# Allegro board RK3588S_Template_LP5D315P232SD10H2_42x42_2750MHz_1R2_V10_20220413YWQ.brd (continued)
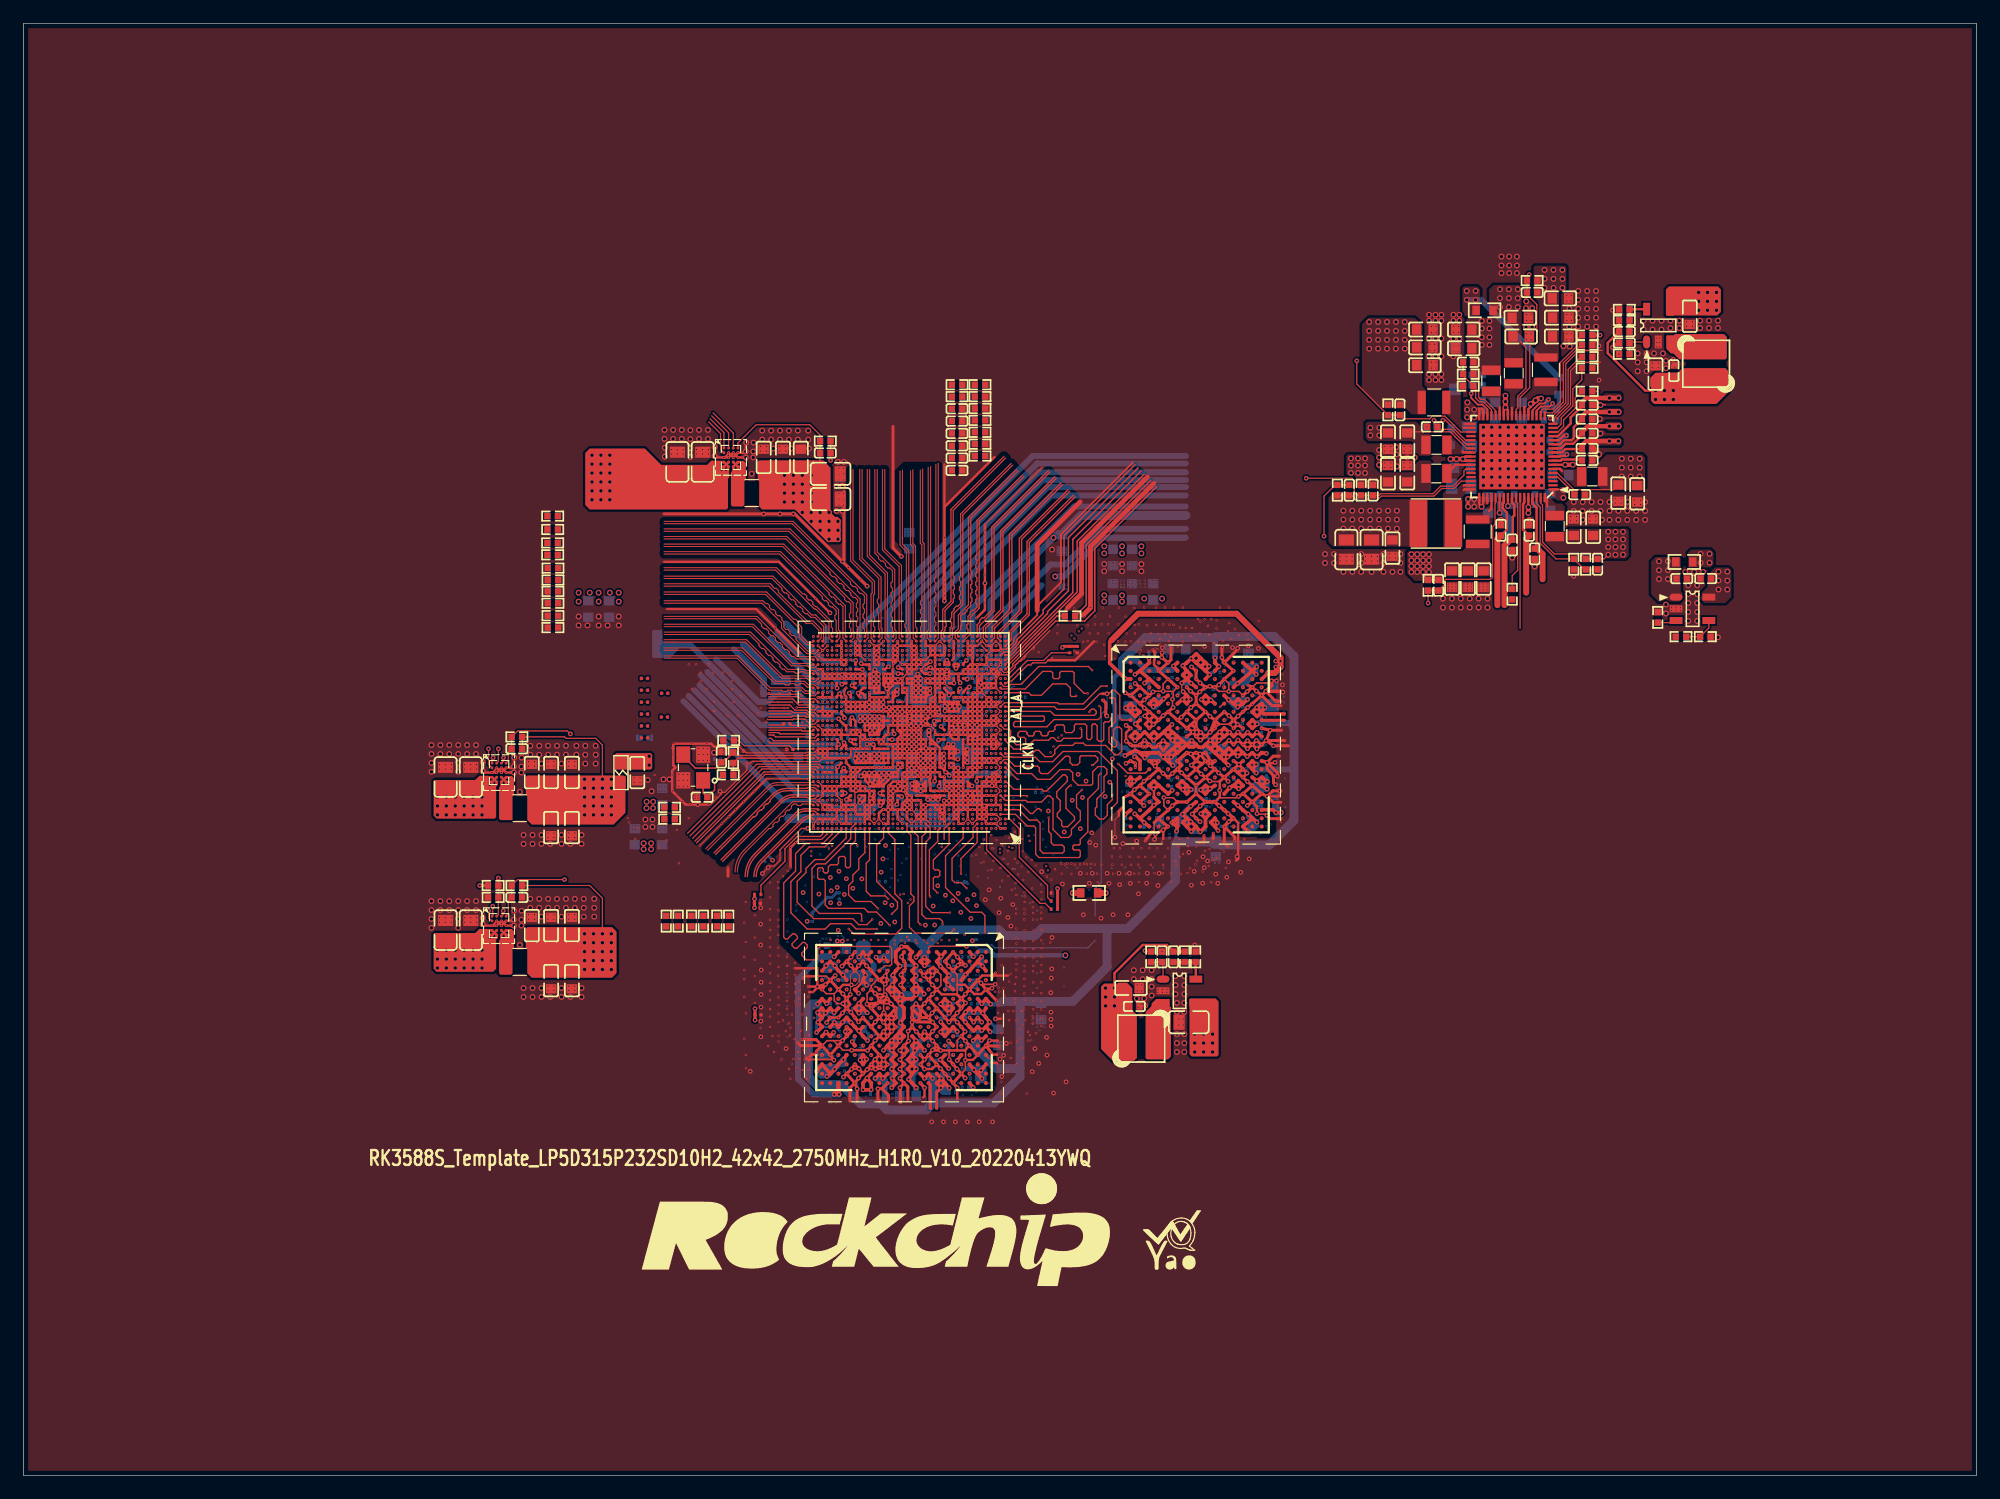
[diagram p0: board, top side]
## Routing (per net, layer and track width the routed paths; a pad name or vN(x,y) marks a point on that pad's centre or on a via; arc(x,y) is an arc through that point) (continued)
DDR_CH1_DQ11_D: length 28.1
  L3-S1 w0.076: v4(71.33,50.36) 71.05,50.64 71.05,50.89 71.94,51.78 71.94,51.95 71.86,52.03 71.29,52.03 71.08,52.24 71.08,52.35 71.36,52.63 71.47,52.63 71.63,52.47 71.73,52.47 71.89,52.63 71.89,52.74 71.74,52.89 71.74,53 71.96,53.22 71.96,56.43 71.49,56.9 v3(71.49,56.9) ; v3(70.33,43.17) 70.33,43.17 70.33,43.1 v4(70.54,42.89)
  L8-S3 w0.076: v4(71.33,50.36) 71.51,50.53 71.66,50.53 71.76,50.43 71.76,50.13 71.69,50.05 71.53,50.05 71.45,49.97 71.45,49.74 71.53,49.67 71.69,49.67 71.76,49.59 71.76,49.36 71.69,49.28 71.2,49.28 71.13,49.36 71.13,49.73 71.05,49.81 70.78,49.81 70.61,49.64 70.61,48.98 70.69,48.9 71.59,48.9 71.7,48.79 71.7,48.6 71.62,48.52 70.5,48.52 70.43,48.44 70.43,48.23 70.52,48.14 71.53,48.14 71.61,48.06 71.61,47.86 71.53,47.78 71.34,47.78 71.27,47.71 71.27,47.38 71.19,47.31 70.96,47.31 70.89,47.38 70.89,47.71 70.81,47.78 70.48,47.78 70.41,47.71 70.41,47.19 70.53,47.07 70.53,46.58 70.63,46.48 71.25,46.48 71.33,46.4 71.33,46.29 71.25,46.21 70.42,46.21 70.34,46.13 70.34,45.17 70.27,45.09 69.58,45.09 69.5,45.02 69.5,44.79 69.58,44.71 70.27,44.71 70.34,44.64 70.34,43.09 v4(70.54,42.89)
DDR_CH1_DQ12_C: length 28.9
  L3-S1 w0.076: v3(79.09,56.1) 79.26,55.93 79.26,55.18 79.74,54.71 79.74,53.66 82.16,51.24 v4(82.16,50.46) ; v3(81.52,36.83) 82.84,36.83 v4(83.03,37.02)
  L6-S2 w0.107: v4(83.03,37.02) 83.03,37.13 82.84,37.33 82.84,37.67 83.14,37.97 83.45,37.97 83.7,38.23 83.7,42.56 83.63,42.63 83.31,42.63 83.24,42.71 83.24,42.94 83.31,43.01 83.63,43.01 83.7,43.09 83.7,43.45 83.59,43.56 83.33,43.56 83.13,43.36 83.02,43.36 82.86,43.53 82.86,43.63 83.18,43.96 83.18,44.23 82.68,44.74 82.68,46.34 82.53,46.48 82.3,46.48 82.14,46.64 82.14,47.6 82.38,47.84 82.38,47.99 82.27,48.09 81.88,48.09 81.81,48.17 81.81,48.4 81.88,48.48 82.38,48.48 82.51,48.61 82.51,49.5 82.38,49.64 81.9,49.64 81.66,49.88 81.66,51.23 81.77,51.33 82.08,51.33 82.16,51.26 v4(82.16,50.46)
DDR_CH1_DQ12_D: length 26.9
  L3-S1 w0.076: v4(69.11,50.65) 69.25,50.78 69.67,50.78 69.93,50.53 70.68,50.53 70.76,50.6 70.76,51.89 70.61,52.04 70.61,52.34 71.72,53.45 71.72,55.62 71.65,55.7 v3(71.49,55.7) ; v3(68.85,41.58) 68.86,41.58 68.86,41.58 69.07,41.79 v4(69.07,41.85)
  L6-S2 w0.107: v4(69.07,41.85) 69.07,42.2 69.18,42.31 70.25,42.31 70.36,42.2 70.36,41.76 70.25,41.66 69.85,41.66 69.52,41.33 67.54,41.33 67.36,41.51 67.36,42.57 67.47,42.67 68.48,42.67 68.55,42.75 68.55,42.98 68.48,43.05 67.44,43.05 67.36,43.13 67.36,43.45 67.47,43.56 67.94,43.56 68.33,43.94 68.33,46.74 68.64,47.05 68.64,47.45 68.75,47.56 69.11,47.56 69.21,47.66 69.21,47.88 69.11,47.98 68.75,47.98 68.64,48.09 68.64,49.53 68.64,49.53 68.64,50.57 68.75,50.67 69.08,50.67 v4(69.11,50.65)
DDR_CH1_DQ13_C: length 29.5
  L3-S1 w0.076: v4(81.15,37.96) 81.15,37.85 v3(80.84,37.55) ; v4(84.08,46.42) 84.06,46.42 83.98,46.5 83.98,47.27 83.88,47.38 83.37,47.38 83.13,47.13 83.13,47.05 83.05,46.98 82.94,46.98 82.69,47.23 82.65,47.23 82.45,47.43 82.45,47.44 82.42,47.47 82.42,48.05 81.83,48.64 81.83,49.86 81.46,50.23 81.46,51.12 79.23,53.35 79.23,54.57 78.81,55 78.81,55.74 78.6,55.95 78.6,56.41 78.93,56.74 v3(79.09,56.9)
  L8-S3 w0.076: v4(81.15,37.96) 81.59,38.4 82.18,38.4 82.25,38.33 82.25,37.63 82.33,37.55 82.74,37.55 83.47,38.28 83.61,38.28 83.81,38.09 83.92,38.09 84.08,38.25 84.08,38.36 83.69,38.75 83.69,38.86 83.86,39.03 83.97,39.03 84.36,38.63 84.47,38.63 85.09,39.26 85.09,44.08 83.84,45.33 83.84,46.18 v4(84.08,46.42)
DDR_CH1_DQ13_D: length 26.1
  L3-S1 w0.076: v4(67.53,50.45) 67.53,50.88 67.72,51.08 67.83,51.08 68.16,50.74 68.27,50.74 68.38,50.85 68.38,50.96 68.04,51.29 68.04,51.4 70.74,54.09 70.74,56.05 v3(70.69,56.1) ; v4(69.29,40.36) 69.4,40.36 69.64,40.6 v3(69.64,40.75)
  L6-S2 w0.107: v4(67.53,50.45) 67.53,50.28 67.62,50.19 67.62,48.9 67.71,48.81 67.86,48.81 67.94,48.72 67.94,47.38 67.56,47 67.56,46.64 67.35,46.43 67.09,46.43 66.67,46.01 66.67,38.88 66.95,38.61 67.21,38.61 67.3,38.7 67.3,40.55 67.41,40.65 69.2,40.65 69.29,40.56 v4(69.29,40.36)
DDR_CH1_DQ14_C: length 27.7
  L3-S1 w0.076: v3(79.43,37.55) 79.13,37.84 v4(79.12,37.84) ; v4(79.48,50.18) 79.48,50.01 79.4,49.92 79.28,49.92 78.49,50.72 78.49,51.12 78.26,51.35 78.26,51.63 78.21,51.68 78.21,54.3 77.89,54.62 77.89,55.27 v3(77.87,55.3)
  L8-S3 w0.076: v4(79.12,37.84) 79.43,38.15 79.43,38.92 79.66,39.15 82.48,39.15 82.8,39.46 84.46,39.46 84.71,39.71 84.71,44.06 83.56,45.21 83.56,46.23 83.19,46.6 83.19,47.66 83.02,47.82 83.02,48.17 82.75,48.45 82.59,48.45 82.52,48.52 82.52,49.4 81.66,50.26 79.56,50.26 v4(79.48,50.18)
DDR_CH1_DQ14_D: length 26.8
  L3-S1 w0.076: v4(69.19,51.69) 69.19,51.78 69.58,52.18 69.69,52.18 69.82,52.05 69.93,52.05 70.09,52.21 70.09,52.32 69.96,52.45 69.96,52.56 v3(71.25,53.85) 71.25,55.86 71.49,56.1 v3(71.49,56.1) ; v3(71,40.64) 70.94,40.64 70.93,40.64 70.92,40.64 v4(70.7,40.41)
  L6-S2 w0.107: v4(69.19,51.69) 69.19,52.02 69.08,52.13 68.51,52.13 68.35,51.96 68.35,51.81 68.58,51.58 68.58,51.43 68.43,51.28 68.28,51.28 68.05,51.51 67.89,51.51 67.76,51.37 67.76,50.99 68.32,50.42 68.32,49.8 68.32,49.8 68.32,47.24 67.95,46.87 67.95,44.98 67.81,44.84 67.15,44.84 67.04,44.73 67.04,44.42 67.12,44.35 67.87,44.35 67.94,44.27 67.94,44.04 67.87,43.96 67.12,43.96 67.04,43.89 67.04,41.34 67.4,40.97 69.52,40.97 69.67,40.82 69.67,40.13 69.83,39.97 70.26,39.97 v4(70.7,40.41)
DDR_CH1_DQ15_C: length 28.8
  L3-S1 w0.076: v3(77.89,55.7) 77.89,55.66 78.12,55.43 78.12,54.71 78.47,54.37 v3(78.47,53.72) 78.47,52.45 78.92,52 78.92,51.65 78.89,51.62 78.89,51.16 79.38,50.67 79.5,50.67 80.26,49.91 80.26,49.14 80.66,48.75 80.92,48.75 82.14,47.52 82.14,46.78 82.89,46.03 83.59,46.03 84.42,45.2 84.45,45.2 v4(84.48,45.18) ; v3(78.77,36.72) v4(78.52,36.97)
  L8-S3 w0.076: v4(84.48,45.18) 85.34,44.29 85.34,38.81 83.21,36.67 80.43,36.67 80.33,36.77 78.72,36.77 v4(78.52,36.97)
DDR_CH1_DQ15_D: length 26.3
  L3-S1 w0.076: v4(71.45,41.69) 71.57,41.69 v3(71.77,41.49) ; v3(71.49,55.3) 71.49,55.3 71.48,55.31 71.48,53.64 70.38,52.54 v4(70.38,51.5)
  L8-S3 w0.076: v4(71.45,41.69) 71.12,41.69 70.95,41.52 70,41.52 69.85,41.67 69.85,42.21 70.05,42.4 71.03,42.4 71.15,42.28 71.15,42.15 71.22,42.08 71.42,42.08 71.5,42.15 71.5,42.69 71.47,42.72 71.18,42.72 71.11,42.8 71.11,43.03 71.18,43.11 72.33,43.11 72.4,43.18 72.4,44.57 72.45,44.62 72.45,45.53 72.58,45.66 72.58,47.26 72.57,47.26 72.57,47.71 73.01,48.14 73.01,50.56 72.92,50.65 72.92,52.25 72.72,52.45 69.37,52.45 69.29,52.37 69.29,52.15 69.37,52.07 70.1,52.07 70.38,51.8 v4(70.38,51.5)
DDR_CH1_DQS0N_C: length 26.6
  L3-S1 w0.066: v3(80.92,42.36) 81.04,42.48 81.33,42.48 81.33,42.48 81.6,42.48 81.89,42.77 82.57,42.77 82.73,42.93 82.73,43.37 82.79,43.43 83.08,43.43 83.15,43.37 83.15,43.25 83.31,43.09 83.71,43.09 83.83,42.97 83.83,42.77 83.77,42.71 83.35,42.71 83.19,42.55 83.19,42.29 83.54,41.95 83.86,41.95 84.14,41.67 84.14,40.11 84.3,39.95 85.11,39.95 85.28,40.11 85.28,49.78 80.96,54.09 80.96,55.44 v3(80.7,55.7)
DDR_CH1_DQS0N_D: length 26.9
  L3-S1 w0.066: v3(69.57,35.93) 69.46,35.82 68.89,35.82 68.33,35.26 65.72,35.26 63.55,37.44 63.55,51.09 67.76,55.3 v3(67.89,55.3)
DDR_CH1_DQS0P_C: length 26
  L3-S1 w0.066: v3(81.58,43.08) 81.53,43.13 81.44,43.13 81.34,43.03 81.34,42.72 81.4,42.65 81.53,42.65 81.82,42.94 82.5,42.94 82.56,43 82.56,43.44 82.72,43.6 83.16,43.6 83.32,43.44 83.32,43.33 83.38,43.27 83.78,43.27 84,43.05 84,42.7 83.84,42.54 83.43,42.54 83.36,42.48 83.36,42.37 83.61,42.12 83.93,42.12 84.32,41.74 84.32,40.18 84.38,40.12 85.04,40.12 85.1,40.18 85.1,49.71 80.79,54.02 80.79,55.23 80.72,55.3 v3(80.69,55.3)
DDR_CH1_DQS0P_D: length 27
  L3-S1 w0.066: v3(67.89,55.7) 67.89,55.68 67.69,55.47 63.38,51.16 63.38,37.36 65.65,35.09 68.41,35.09 68.7,35.38 68.84,35.38 68.9,35.32 v3(68.9,35.16)
DDR_CH1_DQS1N_C: length 27.6
  L3-S1 w0.066: v3(80.83,35.93) 80.77,35.93 80.71,35.86 80.71,35.75 80.78,35.68 81.27,35.68 81.4,35.81 81.66,35.81 82.5,34.98 84.11,34.98 87.23,38.09 87.23,50.59 84.45,53.36 84.45,53.37 84.2,53.62 v3(84.2,53.72) 84.1,53.72 82.89,54.93 82.89,55.09 v3(82.69,55.28)
DDR_CH1_DQS1N_D: length 27.3
  L3-S1 w0.066: v3(69.88,56.1) 69.94,56.04 69.94,54.95 69.66,54.67 69.66,54.22 69.53,54.09 69.31,54.09 69.08,54.09 68.83,53.85 v3(68.83,53.57) 68.83,53.52 68.7,53.39 68.37,53.39 68.22,53.23 68.22,52.82 68.14,52.74 68.05,52.74 68.01,52.79 67.78,52.79 67.55,52.56 67.55,52.33 67.59,52.28 67.59,52.2 67.46,52.07 67.38,52.07 67.33,52.11 67.1,52.11 66.87,51.88 66.87,51.65 66.92,51.61 66.92,51.52 66.79,51.39 66.7,51.39 66.66,51.44 66.43,51.44 66.2,51.21 66.2,50.98 66.23,50.94 66.23,50.86 66.09,50.72 66.03,50.72 65.98,50.76 65.75,50.76 65.49,50.51 65.49,50.09 65.61,49.97 65.61,49.59 65.49,49.47 65.49,48.95 65.61,48.83 65.61,48.33 65.49,48.21 65.49,46.91 65.61,46.8 65.61,46.17 65.49,46.05 65.49,45.51 65.61,45.4 65.61,45.04 65.49,44.92 65.49,39.81 65.66,39.64 66.61,39.64 66.77,39.81 66.77,42.02 67.66,42.9 67.99,42.9 68.13,42.76 68.44,42.76 68.81,42.39 69.58,42.39 v3(69.64,42.33)
DDR_CH1_DQS1P_C: length 27.3
  L3-S1 w0.066: v3(81.58,35.2) 81.55,35.2 81.38,35.37 81.38,35.55 81.47,35.64 81.59,35.64 82.43,34.8 84.18,34.8 87.4,38.02 87.4,50.66 84.6,53.47 84.6,53.47 84.49,53.57 v3(84.49,53.63) 84.49,53.73 84.25,53.98 84.09,53.98 83.06,55 83.06,55.28 v3(83.07,55.29)
DDR_CH1_DQS1P_D: length 27.5
  L3-S1 w0.066: v3(68.94,43.09) 68.98,43.09 69.05,43.02 69.05,42.67 68.98,42.61 68.84,42.61 68.77,42.68 68.77,42.87 68.71,42.94 68.21,42.94 68.07,43.07 67.58,43.07 66.6,42.09 66.6,39.88 66.53,39.82 65.73,39.82 65.67,39.88 65.67,44.85 65.78,44.97 65.78,45.47 65.67,45.58 65.67,45.98 65.78,46.1 65.78,46.87 65.67,46.98 65.67,48.14 65.78,48.26 65.78,48.9 65.66,49.02 65.66,49.4 65.78,49.52 65.78,50.04 65.67,50.16 65.67,50.44 65.82,50.59 65.91,50.59 65.96,50.54 66.16,50.54 66.41,50.78 66.41,51.01 66.37,51.05 66.37,51.14 66.5,51.27 66.58,51.27 66.63,51.22 66.86,51.22 67.09,51.45 67.09,51.68 67.04,51.73 67.04,51.81 67.17,51.94 67.26,51.94 67.31,51.89 67.54,51.89 67.77,52.12 67.77,52.35 67.72,52.4 67.72,52.49 67.85,52.62 67.93,52.62 67.98,52.57 68.21,52.57 68.39,52.75 68.39,53.14 68.47,53.21 68.77,53.21 69.05,53.49 69.05,53.76 v3(69.09,53.8) 69.09,53.86 69.15,53.92 69.31,53.92 69.6,53.92 69.83,54.15 69.83,54.6 70.11,54.88 70.11,56.34 69.95,56.5 v3(69.88,56.5)
DDR_CH1_LP4/4X_CKE0/LP5_CS0_C: length 30.6
  TOP w0.107: v3(78.53,47.15) 78.53,47.35 78.29,47.6 77.1,47.6 76.77,47.93 76.77,54.58 77.09,54.91 U1000.A18
  L3-S1 w0.064: v4(78.42,46.77) 78.44,46.77 78.53,46.86 v3(78.53,47.15) ; v3(77.29,39.88) 77.24,39.88 v4(77,39.65)
  L6-S2 w0.081: v4(77,39.65) 77.07,39.65 77.31,39.4 77.31,38.41 77.24,38.33 77.01,38.33 76.93,38.41 76.93,39.18 76.86,39.26 76.3,39.26 76.22,39.18 76.22,38.95 76.3,38.88 76.49,38.88 76.58,38.78 76.58,38.41 76.51,38.33 75.73,38.33 75.56,38.5 75.56,39.52 75.71,39.67 76.5,39.67 76.6,39.76 76.6,40.66 76.73,40.78 77.22,40.78 77.32,40.88 77.32,42.88 77.12,43.08 76.7,43.08 76.63,43.16 76.63,43.87 76.67,43.91 77.22,43.91 77.34,44.03 77.34,44.64 77.22,44.76 76.54,44.76 76.46,44.84 76.46,45.67 76.53,45.74 76.77,45.74 76.85,45.66 76.85,45.22 76.93,45.14 77.22,45.14 77.3,45.22 77.3,46.38 77.4,46.48 78.26,46.48 78.36,46.58 78.36,46.69 78.42,46.75 78.42,46.77 v4(78.42,46.77)
DDR_CH1_LP4/4X_CKE0/LP5_CS0_D: length 28.2
  TOP w0.107: v3(72.53,47.53) 72.07,47.07 71.37,47.07 70.86,47.59 67.51,47.59 66.11,48.99 66.11,50.77 66.87,51.54 66.87,51.88 67.62,52.64 68.45,52.64 70.29,54.48 U1000.A35
  L3-S1 w0.064: v4(72.87,38.15) 73.03,38.15 v3(73.22,38.33) ; v3(72.53,47.53) 72.9,47.53 v4(72.91,47.54)
  L8-S3 w0.064: v4(72.87,38.15) 73.12,38.4 73.12,39.04 73.16,39.09 73.16,42.79 73.94,43.56 73.94,44.53 73.86,44.61 73.22,44.61 72.76,45.06 72.76,45.33 72.84,45.4 73.22,45.4 73.28,45.46 73.28,45.72 73.22,45.78 72.95,45.78 72.86,45.87 72.86,47.5 v4(72.91,47.54)
DDR_CH1_LP4/4X_CKE1/LP5_CS1_C: length 31.3
  TOP w0.107: v3(78.1,49.79) 77.75,50.15 77.75,51.04 77.86,51.16 78.17,51.16 78.29,51.28 78.29,51.64 78.17,51.76 77.86,51.76 77.75,51.88 77.75,52.6 79.09,53.95 U1000.A13
  L3-S1 w0.064: v3(77.97,40.72) 77.97,40.64 77.9,40.57 v4(77.65,40.57) ; v3(78.1,49.79) 78.12,49.79 78.66,49.25 v4(78.66,49.11)
  L6-S2 w0.081: v4(77.65,40.57) 78,40.93 78,41.68 78,41.69 78,42.99 77.64,43.34 77.64,44.94 77.72,45.01 77.97,45.01 78.05,45.09 78.05,45.32 77.97,45.39 77.72,45.39 77.6,45.51 77.6,46.06 77.72,46.18 77.95,46.18 78.05,46.08 78.05,45.96 78.11,45.89 78.37,45.89 78.76,46.28 78.76,47.4 78.69,47.48 78.34,47.48 78.27,47.56 78.27,47.78 78.34,47.86 78.67,47.86 78.78,47.97 78.78,48.57 78.71,48.65 78.24,48.65 78,48.41 78,47.74 77.93,47.66 77.25,47.66 76.83,48.09 76.83,48.19 76.9,48.26 77.29,48.26 77.36,48.33 77.36,48.55 77.29,48.62 76.85,48.62 76.77,48.69 76.77,49.56 76.85,49.63 77.34,49.63 77.41,49.7 77.41,49.91 77.34,49.99 76.72,49.99 76.65,50.06 76.65,50.76 76.72,50.83 77.01,50.83 77.08,50.76 77.08,50.39 77.15,50.32 77.37,50.32 77.44,50.39 77.44,50.76 77.51,50.83 77.67,50.83 77.76,50.75 77.76,50.2 78.44,49.52 78.44,49.33 v4(78.66,49.11)
DDR_CH1_LP4/4X_CKE1/LP5_CS1_D: length 29.4
  TOP w0.107: U1000.A31 71.89,53.22 71.37,52.7 71.37,51.82 70.86,51.3 70.86,50.77 70.5,50.42 70.5,49.61 71.07,49.05 72.42,49.05 v3(73.01,48.47)
  L3-S1 w0.064: v4(72.02,37.67) 72.14,37.55 v3(72.42,37.55) ; v4(73.38,48.53) 73.31,48.47 v3(73.01,48.47)
  L6-S2 w0.081: v4(73.38,48.53) 73.75,48.17 74.41,48.17 74.48,48.24 74.48,48.46 74.56,48.54 74.95,48.54 75.01,48.48 75.01,45.8 74.51,45.3 74.51,45.03 74.59,44.95 74.74,44.95 74.82,44.88 74.82,44.65 74.74,44.57 74.59,44.57 74.51,44.49 74.51,44.22 74.59,44.14 74.66,44.14 74.74,44.07 74.74,43.91 74.51,43.68 74.51,43.09 74.64,42.96 74.64,42.57 74.41,42.34 73.49,42.34 73.27,42.12 73.27,41.69 73.41,41.55 74.38,41.55 74.58,41.34 74.58,40.83 74.48,40.74 74.48,40.1 74.3,39.92 73.8,39.92 73.65,40.06 73.65,40.61 73.58,40.68 73.23,40.68 73.15,40.6 73.15,39.78 72.99,39.62 72.64,39.62 72.4,39.38 72.4,39.1 72.27,38.97 72.27,38.46 72.02,38.21 v4(72.02,37.67)
DDR_CH1_WCK0N_C: length 26.6
  L3-S1 w0.066: v3(81.09,56.5) 81.09,56.39 81.15,56.33 81.31,56.33 81.47,56.16 81.47,54.51 85.99,50 85.99,39.78 85.49,39.28 83.98,39.28 83.53,39.74 83.53,40.6 83.22,40.91 81.27,40.91 80.4,41.78 80.23,41.78 80.13,41.69 v3(80.13,41.53)
DDR_CH1_WCK0N_D: length 27.6
  L3-S1 w0.066: v3(70.27,36.77) 70.38,36.77 70.45,36.7 70.45,36.31 70.37,36.23 70.17,36.23 70.11,36.3 70.11,36.66 70.02,36.75 69.93,36.75 69.71,36.52 69.29,36.52 69.12,36.35 68.75,36.35 68.49,36.61 67.05,36.61 66.99,36.67 66.99,36.83 66.82,37 66.5,37 66.34,36.83 66.34,36.67 66.28,36.61 66.15,36.61 64.23,38.54 64.23,51.01 65.03,51.81 65.44,52.22 66.07,52.85 67.85,54.63 68.09,54.63 68.63,55.16 68.63,55.24 v3(68.69,55.3)
DDR_CH1_WCK0P_C: length 26.5
  L3-S1 w0.066: v3(79.51,42.29) 79.6,42.21 79.88,42.21 80.14,41.95 80.47,41.95 81.34,41.08 83.29,41.08 83.7,40.67 83.7,39.81 84.06,39.46 85.42,39.46 85.81,39.85 85.81,49.93 81.3,54.44 81.3,56.09 81.24,56.15 81.15,56.15 v3(81.09,56.1)
DDR_CH1_WCK0P_D: length 28
  L3-S1 w0.066: v3(71.03,35.93) 70.67,35.93 70.54,36.06 70.1,36.06 69.81,36.35 69.36,36.35 69.19,36.18 68.68,36.18 68.41,36.44 66.98,36.44 66.81,36.6 66.81,36.76 66.75,36.82 66.57,36.82 66.51,36.76 66.51,36.6 66.35,36.44 66.08,36.44 64.06,38.47 64.06,51.08 67.78,54.8 68.02,54.8 68.46,55.24 68.46,55.49 68.63,55.67 v3(68.69,55.72)
DDR_CH1_WCK1N_C: length 28.2
  L3-S1 w0.066: v3(81.89,55.3) 81.99,55.2 81.99,54.8 81.99,54.79 81.99,54.75 83.18,53.55 83.18,53.47 v3(83.44,53.21) 83.53,53.21 86.54,50.2 86.54,38.42 86.33,38.21 86.25,38.21 86.02,38.44 85.78,38.44 85.34,38.01 85.34,37.64 85.48,37.5 85.48,37.35 84.54,36.42 81.2,36.42 81.04,36.58 80.52,36.58 80.12,36.18 79.96,36.18 79.91,36.22 79.91,36.77 79.96,36.82 80.04,36.82 80.12,36.74 v3(80.12,36.67)
DDR_CH1_WCK1N_D: length 26.2
  L3-S1 w0.066: v3(69.49,55.72) 69.49,55.64 69.25,55.4 69.25,55.03 67.56,53.34 v3(67.31,53.34) 67.06,53.09 67.06,52.83 64.81,50.59 64.81,39.46 65.29,38.98 66.71,38.98 67.3,39.57 67.3,40.5 67.78,40.98 69.18,40.98 70.11,41.9 70.3,41.9 70.36,41.84 70.36,41.56 v3(70.33,41.53)
DDR_CH1_WCK1P_C: length 28.5
  L3-S1 w0.066: v3(79.47,35.98) 79.49,36 80.19,36 80.59,36.4 80.97,36.4 81.13,36.24 84.61,36.24 85.65,37.28 85.65,37.58 85.52,37.71 85.52,37.94 85.85,38.27 85.94,38.27 86.18,38.04 86.41,38.04 86.71,38.35 86.71,50.27 v3(83.44,53.55) 82.17,54.82 82.17,54.87 82.16,54.87 82.16,55.43 v3(81.9,55.69)
DDR_CH1_WCK1P_D: length 25.8
  L3-S1 w0.066: v3(71.03,42.33) 70.96,42.25 70.56,42.25 70.39,42.08 70.04,42.08 69.11,41.15 67.71,41.15 67.13,40.57 67.13,39.65 66.64,39.16 65.37,39.16 64.99,39.53 64.99,50.52 67.3,52.83 67.3,52.95 v3(67.31,52.96) 67.51,53.16 67.62,53.16 69.43,54.96 69.43,55.24 v3(69.49,55.3)
DDR_RESET: length 50.2
  TOP w0.107: U3900.H1 93.85,64.56 93.67,64.73 93.67,66.68 93.25,67.1 93.05,67.1 92.75,66.8 v1(92.58,66.8) C1298.1 91.97,66.8 90.64,65.47 88.3,65.47 88.07,65.7 U1000.AG1 ; U3901.H1 77.34,45.11 77.46,45.23 v1(80.57,45.23)
  L8-S3 w0.064: v5(91.57,45.72) v5(91.57,47.88)
  BOTTOM w0.119: v5(91.57,47.88) 91.57,50.16 92.07,50.67 92.07,65.02 92.58,65.53 v1(92.58,66.8) ; v5(91.57,45.72) 90.93,45.09 83,45.09 82.75,45.34 81.5,45.34 C1299.1 81.39,45.23 v1(80.57,45.23)
EDP_TX0_AUXN: length 15.2
  TOP w0.107: U1000.AY1 83.89,70.9 84.4,71.41 84.4,71.99 85.94,73.54 85.94,79.72 89.85,83.63
EDP_TX0_AUXP: length 14.9
  TOP w0.107: U1000.BA1 84.01,71.3 84.2,71.49 84.2,72.08 85.75,73.62 85.75,79.8 89.71,83.77
EDP_TX0_D0N: length 15.9
  TOP w0.107: U1000.BA4 82.97,71.58 82.97,72.4 82.98,72.42 82.98,72.43 84.45,73.9 84.45,80.34 88.8,84.68
EDP_TX0_D0P: length 15.6
  TOP w0.107: U1000.BB4 82.76,71.77 82.76,72.49 82.78,72.5 82.78,72.51 84.25,73.98 84.25,80.42 88.65,84.83
EDP_TX0_D1N: length 16.1
  TOP w0.107: 88.26,85.22 83.69,80.65 83.69,73.89 82.21,72.41 82.21,71.78 U1000.BB5
EDP_TX0_D1P: length 16.7
  TOP w0.107: U1000.BA5 82.01,71.58 82.01,71.7 82.01,72.49 83.5,73.97 83.5,80.73 88.12,85.36
EDP_TX0_D2N: length 17.1
  TOP w0.107: U1000.BA7 81.77,71.58 81.77,71.97 81.69,72.05 81.69,72.62 82.93,73.87 82.93,80.97 87.72,85.76
EDP_TX0_D2P: length 16.9
  TOP w0.107: U1000.BB7 81.56,71.77 81.56,71.89 81.48,71.97 81.48,72.69 81.7,72.91 81.7,73.07 81.91,73.29 82.08,73.29 82.74,73.95 82.74,81.05 87.58,85.9
EDP_TX0_D3N: length 14.9
  TOP w0.107: 89.39,84.09 85.29,79.99 85.29,73.81 83.44,71.97 83.44,71.75 U1000.BB2
EDP_TX0_D3P: length 15.5
  TOP w0.107: U1000.BA2 83.21,71.58 83.21,71.8 83.24,71.83 83.24,72.05 85.09,73.9 85.09,80.07 89.25,84.23
EMMC_CLKOUT: length 1.3
  TOP w0.107: R1309.2 64.88,64.14 63.69,64.14
EMMC_CMD/FSPI_CLK: length 4
  TOP w0.102: 65.77,65.19 66.85,65.19 67.03,65.01 67.38,65.01 U1000.AE42
  TOP w0.107: 65.77,65.19 65.63,65.33 63.69,65.33
EMMC_D0/FSPI_D0: length 4.3
  TOP w0.107: U1000.Y41 67.78,62.79 64.08,62.79 63.88,62.99 63.69,62.99
EMMC_D1/FSPI_D1: length 11.7
  L3-S1 w0.064: v3(68.29,62.9) 68.04,62.9 67.82,63.12 66.42,63.12 66.34,63.04 61.67,63.04 60.47,64.25 57.17,64.25
EMMC_D2/FSPI_D2: length 4.4
  TOP w0.107: 63.69,63.27 64.11,63.27 64.26,63.12 67.08,63.12 67.18,63.02 67.61,63.02 U1000.AA41
EMMC_D3/FSPI_D3: length 3.9
  TOP w0.107: U1000.AA42 67.42,63.37 64.64,63.37 64.53,63.48 63.69,63.48
EMMC_D6/FSPI_CS0: length 4.7
  TOP w0.107: 63.55,64.65 63.61,64.59 65.73,64.59 65.79,64.64 66.76,64.64 67.22,64.19 67.58,64.19 U1000.AD41
EMMC_D7: length 4.6
  TOP w0.107: 63.69,65.84 65.49,65.84 65.92,65.4 66.94,65.4 67.12,65.22 67.58,65.22 U1000.AE41
EMMC_DATA_STROBE: length 12.3
  L3-S1 w0.064: 57.36,67.29 60.93,67.29 63.86,64.36 66.52,64.36 v3(66.55,64.34)
  L3-S1 w0.066: v3(66.55,64.34) 68.06,64.34 v3(68.29,64.1)
EMMC_RSTN: length 12.4
  L3-S1 w0.064: v3(68.29,64.5) 68.23,64.57 64.41,64.57 60.99,68 57.36,68
GAUGE_ALRT: length 13.8
  L3-S1 w0.076: v3(68.69,65.7) 68.47,65.48 66.85,65.48 66.62,65.71 66.62,66.12 66.43,66.32 66.24,66.32
  L3-S1 w0.102: 66.24,66.32 61.81,70.75 57.36,70.75
GSENSOR_INT_L: length 13.7
  L3-S1 w0.076: 66.24,60.8 66.28,60.8 66.38,60.9 v3(68.69,60.9)
  L3-S1 w0.102: 66.24,60.8 65.12,60.8 59.06,54.74 57.53,54.74
HALL_INT_L: length 14.3
  L3-S1 w0.076: v3(69.49,65.7) 69.49,65.66 69.01,65.18 66.54,65.18 66.34,65.38 66.24,65.38
  L3-S1 w0.102: 66.24,65.38 65.98,65.38 61.42,69.94 57.36,69.94
HDMI0_TX_ON_H: length 15
  L3-S1 w0.076: v3(75.49,70.5) 75.31,70.68 75.31,72.26 75.01,72.57
  L3-S1 w0.102: 74.9,84.74 74.9,81.21 75.64,80.47 75.64,78.66 75.01,78.02 75.01,72.57
HDMI/EDP_TX0_REXT: length 0.7
  L3-S1 w0.102: v4(83.17,71.19) 83.09,71.11 v3(83.09,70.9)
  L8-S3 w0.102: v4(83.17,71.19) 83.34,71.02 v5(83.44,71.02)
HDMI_TX0_CEC_M0: length 13
  L3-S1 w0.076: 73.74,72.74 73.96,72.51 73.96,70.97 v3(73.89,70.9)
  L3-S1 w0.102: 73.74,72.74 73.74,83.79 73.71,83.81
HDMI_TX0_HPD_M0: length 13
  L3-S1 w0.076: v3(68.27,59.7) 68,59.97 67.03,59.97 66.62,59.56 66.24,59.56
  L3-S1 w0.102: 59.51,51.91 59.51,53.18 65.35,59.02 65.89,59.56 66.24,59.56
HDMI_TX0_SCL_M0: length 15.7
  L3-S1 w0.076: v3(75.49,70.1) 75.74,70.34 75.74,70.66 75.47,70.93 75.47,72.36 75.26,72.57 75.26,72.82
  L3-S1 w0.102: 75.26,72.82 75.26,77.99 75.84,78.57 75.84,80.55 75.11,81.29 75.11,84.91
HDMI_TX0_SDA_M0: length 14.4
  L3-S1 w0.076: v3(75.09,70.5) 75.16,70.57 75.16,72.16 74.75,72.57 74.75,72.71
  L3-S1 w0.102: 74.75,72.71 74.59,72.88 74.59,84.64
HOST0_REXT: length 1.6
  TOP w0.102: U1000.AW5 82.29,70.5 v3(81.89,70.9)
  L3-S1 w0.102: v3(81.89,70.9) 81.92,70.92 v4(81.92,71.2)
  L8-S3 w0.102: v4(81.92,71.2) v5(81.92,71.5)
  BOTTOM w0.102: v5(81.92,71.5) 81.74,71.68 R1405.1
HOST1_REXT: length 1.8
  L3-S1 w0.102: v3(81.89,69.7) 81.89,69.7 v4(82.19,69.7)
  L8-S3 w0.102: v5(82.19,70) v4(82.19,69.7)
  BOTTOM w0.102: v5(82.19,70) 82.18,70 82.05,70.13 82.05,70.73 R1406.1
HOST_WAKE_BT_H: length 12
  TOP w0.102: U1000.AH42 v3(66.34,66.1)
  L3-S1 w0.076: v3(66.34,66.1) 66.24,66.1
  L3-S1 w0.102: 66.24,66.1 66.17,66.1 61.72,70.55 57.36,70.55
HP_DET_L: length 14.8
  L3-S1 w0.076: 66.24,61.01 66.27,61.01 66.38,61.12 68.87,61.12 v3(69.09,60.9)
  L3-S1 w0.102: 56.97,55.17 58.72,55.17 59.89,56.34 59.89,56.46 64.44,61.01 66.24,61.01
I2C0_SCL_M2: length 18.6
  TOP w0.102: U1000.AH41 67.61,66.38 67.38,66.38 66.39,66.38 66.22,66.55 63.69,66.55
  TOP w0.104: v1(41.02,61.34) 41.02,61.05 U2301.A3 ; v1(41,48.26) 41,47.95 U2300.A3
  L8-S3 w0.102: v1(41.02,61.34) 41,61.32 v1(41,48.26)
I2C0_SDA_M2: length 29.2
  TOP w0.102: U1000.AG41 67.61,65.42 67.35,65.42 67.14,65.63 v3(66.06,65.63)
  TOP w0.104: U2300.B1 40.02,47.39 39.74,47.67 v1(39.74,48.26) ; v1(39.74,62.1) 39.74,60.77 U2301.B1
  L3-S1 w0.102: v3(66.06,65.63) 66.02,65.63 61.5,70.14 57.36,70.14
  L8-S3 w0.102: v1(39.74,48.26) v1(39.74,62.1)
I2C2_SCL_M0: length 17.1
  TOP w0.102: 58.93,90.81 60.65,89.08 U2302.A3
  L3-S1 w0.076: 66.21,67.51 66.7,67.01 66.85,67.01 67.09,66.78 68.57,66.78 v3(68.69,66.9)
  L3-S1 w0.102: 57.36,71.57 62.14,71.57 66.21,67.51
I2C2_SDA_M0: length 16.3
  TOP w0.102: U2302.B1 59.56,87.68 59.56,89.03 58.55,90.04
  L3-S1 w0.076: 66.22,68.36 66.82,67.76 66.82,67.69 67.27,67.23 67.89,67.23 68.29,67.63 v3(68.29,67.68)
  L3-S1 w0.102: 57.43,72.18 62.4,72.18 66.22,68.36
I2C3_SCL_M1_SENSOR: length 12.3
  L3-S1 w0.076: v3(70.69,70.9) 70.28,71.31 70.28,73.03 70.35,73.09
  L3-S1 w0.102: 70.35,73.09 70.35,74.86 64.61,80.59
I2C3_SDA_M1_SENSOR: length 13.8
  L3-S1 w0.076: 66.21,69.52 66.85,68.88 66.85,68.79 67.29,68.36 69.35,68.36 v3(69.89,68.9)
  L3-S1 w0.102: 66.21,69.52 62.73,73 58.26,73
I2C4_SCL_M3_TP: length 10.6
  L3-S1 w0.076: v3(68.69,59.3) 68.32,58.93 66.31,58.93 66.24,58.87
  L3-S1 w0.102: 66.24,58.87 66.23,58.85 66.08,58.85 65.21,57.98 65.21,57.7 61.42,53.91 61.42,52.96
I2C4_SDA_M3_TP: length 7.2
  L3-S1 w0.076: v3(69.09,56.5) 68.75,56.85 67.23,56.85 66.03,55.64
  L3-S1 w0.102: 63.96,52.96 63.96,53.57 66.03,55.64
I2C5_SCL_M3_CAM: length 10.7
  L3-S1 w0.076: v3(69.09,59.3) 68.57,58.78 66.39,58.78 66.24,58.63
  L3-S1 w0.102: 61.65,52.96 61.65,53.85 65.58,57.78 65.58,57.99 66.19,58.6 66.21,58.6 66.24,58.63
I2C5_SDA_M3_CAM: length 8
  L3-S1 w0.076: 66.2,56.1 67.1,57 68.83,57 69.14,57.3 v3(69.49,57.3)
  L3-S1 w0.102: 63.63,52.96 63.63,53.53 66.2,56.1
I2C6_SCL_M3: length 16.9
  L3-S1 w0.076: 75.62,72.59 75.62,70.99 75.89,70.73 75.89,70.1 v3(75.49,69.7)
  L3-S1 w0.102: 75.31,85.72 75.31,81.37 76.05,80.64 76.05,78.49 75.51,77.95 75.51,72.69 75.62,72.59
I2C6_SDA_M3: length 13.2
  L3-S1 w0.076: v3(73.49,70.5) 73.15,70.84 73.15,72.4 73.25,72.51 73.25,72.57
  L3-S1 w0.102: 73.24,83.48 73.25,83.46 73.25,72.57
I2C7_SCL_M0_CODEC: length 15
  L3-S1 w0.076: 66.02,61.49 66.03,61.48 69.27,61.48 v3(69.49,61.7)
  L3-S1 w0.102: 66.02,61.49 63.4,61.49 58.57,56.66 56.56,56.66
I2C7_SDA_M0_CODEC: length 14.6
  L3-S1 w0.076: 66.07,61.69 66.11,61.66 69.05,61.66 v3(69.09,61.7)
  L3-S1 w0.102: 56.46,56.95 58.49,56.95 63.24,61.69 66.07,61.69
I2C8_SCL_M2_CAM: length 10.9
  L3-S1 w0.076: 66.24,58.36 66.5,58.62 68.82,58.62 v3(69.49,59.3)
  L3-S1 w0.102: 61.85,52.96 61.85,53.77 65.92,57.83 65.92,58.04 66.24,58.36
I2C8_SDA_M2_CAM: length 8.3
  L3-S1 w0.076: v3(69.09,57.7) 69,57.7 68.62,57.32 66.85,57.32 66.2,56.68
  L3-S1 w0.102: 66.2,56.68 63.12,53.6 63.12,52.96
I2S0_LRCK_TX: length 13.8